# Altium PCB PCB.PcbDoc (part 11 of 11)
Units mm, origin at the board's own origin, x right, y up, seen from the top; angles counter-clockwise.
Board outline 134.62 x 134.62 mm, 2 copper layers (Top Layer, Bottom Layer); 223 components, 326 nets, 5222 pads, 379 vias.
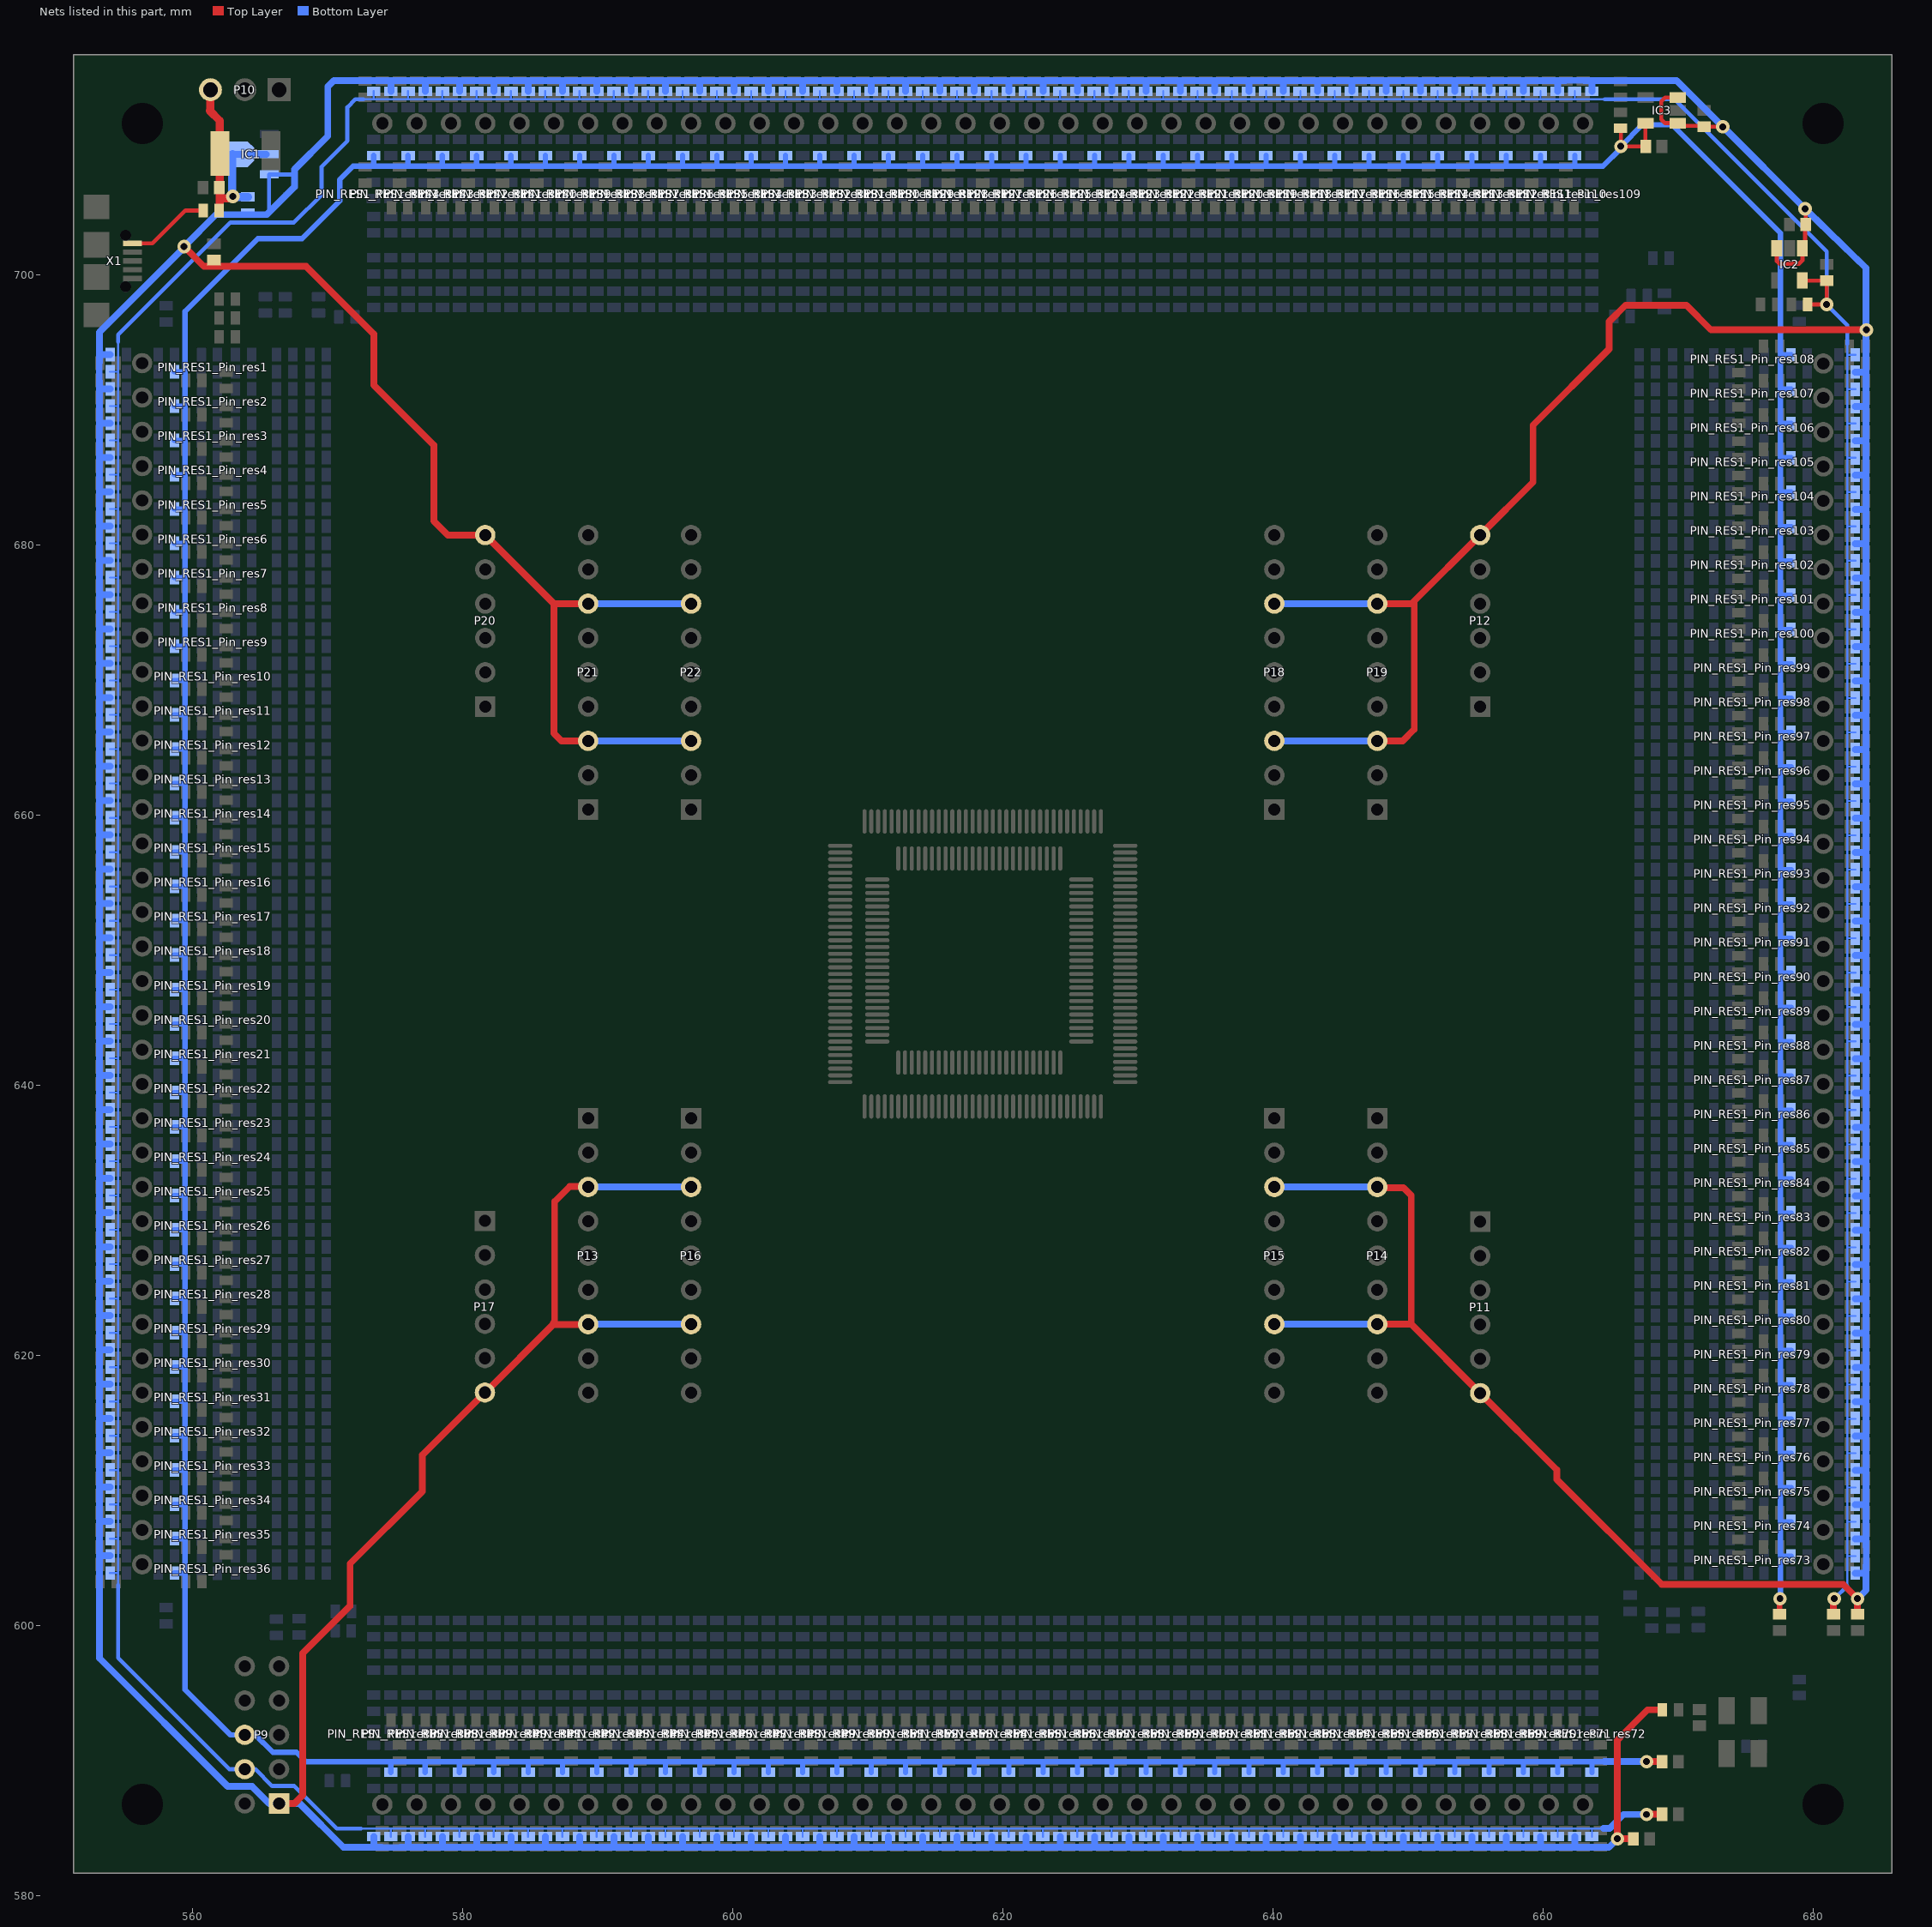
[diagram p11: the nets of this part, all layers, seen from the top]

## Via types
v1: diameter 1, hole 0.5, Top Layer to Bottom Layer, 322 vias
v2: diameter 1, hole 0.5, Top Layer to Bottom Layer, tented both sides, 57 vias

## Nets (pads, with @x,y where several pads share a name; then routed paths per layer and width w, separated by ;. In a path a pad name is that pad's centre, name@x,y a point inside that pad or via, vN(x,y) a via of type N, cw(c..) or ccw(c..) an arc to the next point about the centre after c; other vN are vias at no path point) (continued)
VCC1: C1.1 C2.1 C5.1 C7.1 C8.1 IC1.3 IC2.1 IC2.3 IC3.1 IC3.3 P9.1 P11.6 P12.6 P13.3 P13.7 P14.3 P14.7 P15.3 P15.7 P16.3 P16.7 P17.6 P18.3 P18.7 P19.3 P19.7 P20.6 P21.3 P21.7 P22.3 P22.7 PIN_RES1_Pin_res1.2 PIN_RES1_Pin_res2.2 PIN_RES1_Pin_res3.2 PIN_RES1_Pin_res4.2 PIN_RES1_Pin_res5.2 PIN_RES1_Pin_res6.2 PIN_RES1_Pin_res7.2 PIN_RES1_Pin_res8.2 PIN_RES1_Pin_res9.2 PIN_RES1_Pin_res10.2 PIN_RES1_Pin_res11.2 PIN_RES1_Pin_res12.2 PIN_RES1_Pin_res13.2 PIN_RES1_Pin_res14.2 PIN_RES1_Pin_res15.2 PIN_RES1_Pin_res16.2 PIN_RES1_Pin_res17.2 PIN_RES1_Pin_res18.2 PIN_RES1_Pin_res19.2 PIN_RES1_Pin_res20.2 PIN_RES1_Pin_res21.2 PIN_RES1_Pin_res22.2 PIN_RES1_Pin_res23.2 PIN_RES1_Pin_res24.2 PIN_RES1_Pin_res25.2 PIN_RES1_Pin_res26.2 PIN_RES1_Pin_res27.2 PIN_RES1_Pin_res28.2 PIN_RES1_Pin_res29.2 PIN_RES1_Pin_res30.2 PIN_RES1_Pin_res31.2 PIN_RES1_Pin_res32.2 PIN_RES1_Pin_res33.2 PIN_RES1_Pin_res34.2 PIN_RES1_Pin_res35.2 PIN_RES1_Pin_res36.2 PIN_RES1_Pin_res37.2 PIN_RES1_Pin_res38.2 PIN_RES1_Pin_res39.2 PIN_RES1_Pin_res40.2 PIN_RES1_Pin_res41.2 PIN_RES1_Pin_res42.2 PIN_RES1_Pin_res43.2 PIN_RES1_Pin_res44.2 PIN_RES1_Pin_res45.2 PIN_RES1_Pin_res46.2 PIN_RES1_Pin_res47.2 PIN_RES1_Pin_res48.2 PIN_RES1_Pin_res49.2 PIN_RES1_Pin_res50.2 PIN_RES1_Pin_res51.2 PIN_RES1_Pin_res52.2 PIN_RES1_Pin_res53.2 PIN_RES1_Pin_res54.2 PIN_RES1_Pin_res55.2 PIN_RES1_Pin_res56.2 PIN_RES1_Pin_res57.2 PIN_RES1_Pin_res58.2 PIN_RES1_Pin_res59.2 PIN_RES1_Pin_res60.2 PIN_RES1_Pin_res61.2 PIN_RES1_Pin_res62.2 PIN_RES1_Pin_res63.2 PIN_RES1_Pin_res64.2 PIN_RES1_Pin_res65.2 PIN_RES1_Pin_res66.2 PIN_RES1_Pin_res67.2 PIN_RES1_Pin_res68.2 PIN_RES1_Pin_res69.2 PIN_RES1_Pin_res70.2 PIN_RES1_Pin_res71.2 PIN_RES1_Pin_res72.2 PIN_RES1_Pin_res73.2 PIN_RES1_Pin_res74.2 PIN_RES1_Pin_res75.2 PIN_RES1_Pin_res76.2 PIN_RES1_Pin_res77.2 PIN_RES1_Pin_res78.2 PIN_RES1_Pin_res79.2 PIN_RES1_Pin_res80.2 PIN_RES1_Pin_res81.2 PIN_RES1_Pin_res82.2 PIN_RES1_Pin_res83.2 PIN_RES1_Pin_res84.2 PIN_RES1_Pin_res85.2 PIN_RES1_Pin_res86.2 PIN_RES1_Pin_res87.2 PIN_RES1_Pin_res88.2 PIN_RES1_Pin_res89.2 PIN_RES1_Pin_res90.2 PIN_RES1_Pin_res91.2 PIN_RES1_Pin_res92.2 PIN_RES1_Pin_res93.2 PIN_RES1_Pin_res94.2 PIN_RES1_Pin_res95.2 PIN_RES1_Pin_res96.2 PIN_RES1_Pin_res97.2 PIN_RES1_Pin_res98.2 PIN_RES1_Pin_res99.2 PIN_RES1_Pin_res100.2 PIN_RES1_Pin_res101.2 PIN_RES1_Pin_res102.2 PIN_RES1_Pin_res103.2 PIN_RES1_Pin_res104.2 PIN_RES1_Pin_res105.2 PIN_RES1_Pin_res106.2 PIN_RES1_Pin_res107.2 PIN_RES1_Pin_res108.2 PIN_RES1_Pin_res109.2 PIN_RES1_Pin_res110.2 PIN_RES1_Pin_res111.2 PIN_RES1_Pin_res112.2 PIN_RES1_Pin_res113.2 PIN_RES1_Pin_res114.2 PIN_RES1_Pin_res115.2 PIN_RES1_Pin_res116.2 PIN_RES1_Pin_res117.2 PIN_RES1_Pin_res118.2 PIN_RES1_Pin_res119.2 PIN_RES1_Pin_res120.2 PIN_RES1_Pin_res121.2 PIN_RES1_Pin_res122.2 PIN_RES1_Pin_res123.2 PIN_RES1_Pin_res124.2 PIN_RES1_Pin_res125.2 PIN_RES1_Pin_res126.2 PIN_RES1_Pin_res127.2 PIN_RES1_Pin_res128.2 PIN_RES1_Pin_res129.2 PIN_RES1_Pin_res130.2 PIN_RES1_Pin_res131.2 PIN_RES1_Pin_res132.2 PIN_RES1_Pin_res133.2 PIN_RES1_Pin_res134.2 PIN_RES1_Pin_res135.2 PIN_RES1_Pin_res136.2 PIN_RES1_Pin_res137.2 PIN_RES1_Pin_res138.2 PIN_RES1_Pin_res139.2 PIN_RES1_Pin_res140.2 PIN_RES1_Pin_res141.2 PIN_RES1_Pin_res142.2 PIN_RES1_Pin_res143.2 PIN_RES1_Pin_res144.2 R5.2 R22.1 | length 907.3
  Top Layer w0.3: IC3.1@669.931,711.215 669.021,711.215 668.731,711.505 668.731,712.826 669.021,713.115 IC3.3@669.931,713.115 ; IC3.1@669.957,711.215 670.15,711.022 671.56,711.022 C1.1@671.627,710.956 ; C1.1@671.906,710.956 v1@672.862,710.956 ; IC2.3@677.281,701.961 677.281,700.999 677.469,700.811 678.942,700.811 679.181,701.05 IC2.1@679.181,701.961 679.374,702.154 679.374,703.666 C8.1@679.415,703.707 679.415,704.836 v1(679.375,704.876)
  Top Layer w0.5: v1(559.359,702.081) 560.832,700.608 568.401,700.608 573.405,695.604 573.405,691.82 577.85,687.375 577.85,681.761 578.891,680.72 P20.6@581.66,680.72 586.74,675.64 ; P9.1@566.395,586.816 567.538,586.816 568.147,587.426 568.147,597.941 571.652,601.447 571.652,604.571 577.012,609.93 577.012,612.623 P17.6@581.635,617.245 ; P17.6@581.685,617.195 P17.6@581.635,617.245 ; 586.791,622.275 P13.7@589.255,622.275 ; P13.3@589.28,632.485 587.904,632.485 586.791,631.372 586.791,622.478 586.715,622.402 586.715,622.3 581.66,617.245 P17.6@581.635,617.245 ; P21.3@589.28,665.48 587.299,665.48 586.74,666.039 586.74,675.64 ; P21.7@589.28,675.64 586.74,675.64 ; P14.7@647.7,622.3 650.215,622.3 ; P14.3@647.7,632.46 647.751,632.409 649.63,632.409 650.215,631.825 650.215,622.3 ; P19.3@647.7,665.48 649.58,665.48 650.443,666.344 650.443,675.843 ; P19.7@647.7,675.64 650.24,675.64 650.443,675.843 ; C7.1@666.658,584.2 v1(665.48,584.2) 665.48,591.515 667.715,593.75 R22.1@668.817,593.75 ; C5.1@683.26,600.827 v1(683.26,601.98) 682.193,603.047 668.757,603.047 660.984,610.819 660.984,611.53 P11.6@655.32,617.195 650.215,622.3 ; v1(683.92,695.909) 672.414,695.909 670.585,697.738 666.09,697.738 664.87,696.519 664.87,694.487 659.232,688.848 659.232,684.632 P12.6@655.32,680.72 650.443,675.843
  Bottom Layer w0.3: 565.655,704.613 IC1.3@565.655,707.414 567.485,707.414
  Bottom Layer w0.5: PIN_RES1_Pin_res36.2@553.882,605.155 553.085,605.155 ; PIN_RES1_Pin_res35.2@553.882,607.695 553.085,607.695 ; PIN_RES1_Pin_res34.2@553.882,610.235 553.085,610.235 ; PIN_RES1_Pin_res33.2@553.882,612.775 553.085,612.775 ; PIN_RES1_Pin_res32.2@553.882,615.315 553.085,615.315 ; PIN_RES1_Pin_res31.2@553.882,617.855 553.085,617.855 ; PIN_RES1_Pin_res30.2@553.882,620.395 553.085,620.395 ; PIN_RES1_Pin_res29.2@553.882,622.935 553.085,622.935 ; PIN_RES1_Pin_res28.2@553.882,625.475 553.085,625.475 ; PIN_RES1_Pin_res27.2@553.882,628.015 553.085,628.015 ; PIN_RES1_Pin_res26.2@553.882,630.555 553.085,630.555 ; PIN_RES1_Pin_res25.2@553.882,633.095 553.085,633.095 ; PIN_RES1_Pin_res24.2@553.882,635.635 553.085,635.635 ; PIN_RES1_Pin_res23.2@553.882,638.175 553.085,638.175 ; PIN_RES1_Pin_res22.2@553.882,640.715 553.085,640.715 ; PIN_RES1_Pin_res21.2@553.882,643.255 553.085,643.255 ; PIN_RES1_Pin_res20.2@553.882,645.795 553.085,645.795 ; PIN_RES1_Pin_res19.2@553.882,648.335 553.085,648.335 ; PIN_RES1_Pin_res18.2@553.882,650.9 553.085,650.9 ; PIN_RES1_Pin_res17.2@553.882,653.44 553.085,653.44 ; PIN_RES1_Pin_res16.2@553.882,655.98 553.085,655.98 ; PIN_RES1_Pin_res15.2@553.882,658.52 553.085,658.52 ; PIN_RES1_Pin_res14.2@553.882,661.06 553.085,661.06 ; PIN_RES1_Pin_res13.2@553.882,663.6 553.085,663.6 ; PIN_RES1_Pin_res12.2@553.882,666.14 553.085,666.14 ; PIN_RES1_Pin_res11.2@553.882,668.68 553.085,668.68 ; PIN_RES1_Pin_res10.2@553.882,671.22 553.085,671.22 ; PIN_RES1_Pin_res9.2@553.882,673.76 553.085,673.76 ; PIN_RES1_Pin_res8.2@553.882,676.3 553.085,676.3 ; PIN_RES1_Pin_res7.2@553.882,678.84 553.085,678.84 ; PIN_RES1_Pin_res6.2@553.882,681.38 553.085,681.38 ; PIN_RES1_Pin_res5.2@553.882,683.92 553.085,683.92 ; PIN_RES1_Pin_res4.2@553.882,686.46 553.085,686.46 ; PIN_RES1_Pin_res3.2@553.882,689 553.085,689 ; PIN_RES1_Pin_res2.2@553.882,691.54 553.085,691.54 ; PIN_RES1_Pin_res1.2@553.882,694.08 553.085,694.08 ; v1(559.359,702.081) 561.721,704.444 565.48,704.444 566.912,705.876 567.538,706.501 567.538,707.466 567.538,707.796 570.001,710.26 570.001,713.918 570.459,714.375 574.675,714.375 ; v1@559.384,702.031 553.085,695.731 553.085,694.08 ; PIN_RES1_Pin_res37.2@573.405,584.362 573.405,583.565 ; PIN_RES1_Pin_res144.2@574.675,713.578 574.675,714.375 ; PIN_RES1_Pin_res38.2@575.945,584.362 575.945,583.565 ; PIN_RES1_Pin_res143.2@577.215,713.578 577.215,714.375 ; PIN_RES1_Pin_res39.2@578.485,584.362 578.485,583.565 ; PIN_RES1_Pin_res142.2@579.755,713.578 579.755,714.375 ; PIN_RES1_Pin_res40.2@581.025,584.362 581.025,583.565 ; PIN_RES1_Pin_res141.2@582.295,713.578 582.295,714.375 ; PIN_RES1_Pin_res41.2@583.565,584.362 583.565,583.565 ; PIN_RES1_Pin_res140.2@584.835,713.578 584.835,714.375 ; PIN_RES1_Pin_res42.2@586.105,584.362 586.105,583.565 ; PIN_RES1_Pin_res139.2@587.375,713.578 587.375,714.375 ; PIN_RES1_Pin_res43.2@588.645,584.362 588.645,583.565 ; P13.7@589.28,622.3 P16.7@596.9,622.3 ; P13.3@589.28,632.46 P16.3@596.9,632.46 ; P21.3@589.28,665.48 P22.3@596.9,665.48 ; P21.7@589.28,675.64 P22.7@596.9,675.64 ; PIN_RES1_Pin_res138.2@589.915,713.578 589.915,714.375 ; PIN_RES1_Pin_res44.2@591.185,584.362 591.185,583.565 ; PIN_RES1_Pin_res137.2@592.455,713.578 592.455,714.375 ; PIN_RES1_Pin_res45.2@593.725,584.362 593.725,583.565 ; PIN_RES1_Pin_res136.2@594.995,713.578 594.995,714.375 ; PIN_RES1_Pin_res46.2@596.265,584.362 596.265,583.565 ; PIN_RES1_Pin_res135.2@597.535,713.578 597.535,714.375 ; PIN_RES1_Pin_res47.2@598.805,584.362 598.805,583.565 ; PIN_RES1_Pin_res134.2@600.075,713.578 600.075,714.375 ; PIN_RES1_Pin_res48.2@601.345,584.362 601.345,583.565 ; PIN_RES1_Pin_res133.2@602.615,713.578 602.615,714.375 ; PIN_RES1_Pin_res49.2@603.885,584.362 603.885,583.565 ; PIN_RES1_Pin_res132.2@605.155,713.578 605.155,714.375 ; PIN_RES1_Pin_res50.2@606.425,584.362 606.425,583.565 ; PIN_RES1_Pin_res131.2@607.695,713.578 607.695,714.375 ; PIN_RES1_Pin_res51.2@608.965,584.362 608.965,583.565 ; PIN_RES1_Pin_res130.2@610.235,713.578 610.235,714.375 ; PIN_RES1_Pin_res52.2@611.505,584.362 611.505,583.565 ; PIN_RES1_Pin_res129.2@612.775,713.578 612.775,714.375 ; PIN_RES1_Pin_res53.2@614.045,584.362 614.045,583.565 ; PIN_RES1_Pin_res128.2@615.315,713.578 615.315,714.375 ; PIN_RES1_Pin_res54.2@616.585,584.362 616.585,583.565 ; PIN_RES1_Pin_res127.2@617.855,713.578 617.855,714.375 ; PIN_RES1_Pin_res55.2@619.15,584.362 619.15,583.565 ; PIN_RES1_Pin_res126.2@620.42,713.578 620.42,714.375 ; PIN_RES1_Pin_res56.2@621.69,584.362 621.69,583.565 ; PIN_RES1_Pin_res125.2@622.96,713.578 622.96,714.375 ; PIN_RES1_Pin_res57.2@624.23,584.362 624.23,583.565 ; PIN_RES1_Pin_res124.2@625.5,713.578 625.5,714.375 ; PIN_RES1_Pin_res58.2@626.77,584.362 626.77,583.565 ; PIN_RES1_Pin_res123.2@628.04,713.578 628.04,714.375 ; PIN_RES1_Pin_res59.2@629.31,584.362 629.31,583.565 ; PIN_RES1_Pin_res122.2@630.58,713.578 630.58,714.375 ; PIN_RES1_Pin_res60.2@631.85,584.362 631.85,583.565 ; PIN_RES1_Pin_res121.2@633.12,713.578 633.12,714.375 ; PIN_RES1_Pin_res61.2@634.39,584.362 634.39,583.565 ; PIN_RES1_Pin_res120.2@635.66,713.578 635.66,714.375 ; PIN_RES1_Pin_res62.2@636.93,584.362 636.93,583.565 ; PIN_RES1_Pin_res119.2@638.2,713.578 638.2,714.375 ; PIN_RES1_Pin_res63.2@639.47,584.362 639.47,583.565 ; P15.7@640.08,622.3 P14.7@647.7,622.3 ; P15.3@640.08,632.46 P14.3@647.7,632.46 ; P18.3@640.08,665.48 P19.3@647.7,665.48 ; P18.7@640.08,675.64 P19.7@647.7,675.64 ; PIN_RES1_Pin_res118.2@640.74,713.578 640.74,714.375 ; PIN_RES1_Pin_res64.2@642.01,584.362 642.01,583.565 ; PIN_RES1_Pin_res117.2@643.28,713.578 643.28,714.375 ; PIN_RES1_Pin_res65.2@644.55,584.362 644.55,583.565 ; PIN_RES1_Pin_res116.2@645.82,713.578 645.82,714.375 ; PIN_RES1_Pin_res66.2@647.09,584.362 647.09,583.565 ; PIN_RES1_Pin_res115.2@648.36,713.578 648.36,714.375 ; PIN_RES1_Pin_res67.2@649.63,584.362 649.63,583.565 ; PIN_RES1_Pin_res114.2@650.9,713.578 650.9,714.375 ; PIN_RES1_Pin_res68.2@652.17,584.362 652.17,583.565 ; PIN_RES1_Pin_res113.2@653.44,713.578 653.44,714.375 ; PIN_RES1_Pin_res69.2@654.71,584.362 654.71,583.565 ; PIN_RES1_Pin_res112.2@655.98,713.578 655.98,714.375 ; PIN_RES1_Pin_res70.2@657.25,584.362 657.25,583.565 ; PIN_RES1_Pin_res111.2@658.52,713.578 658.52,714.375 ; PIN_RES1_Pin_res71.2@659.79,584.362 659.79,583.565 ; PIN_RES1_Pin_res110.2@661.06,713.578 661.06,714.375 ; 661.638,714.375 661.06,714.375 ; 661.641,714.378 663.017,714.378 ; PIN_RES1_Pin_res72.2@662.33,584.362 662.33,583.565 ; 663.02,714.375 663.6,714.375 ; PIN_RES1_Pin_res109.2@663.6,713.578 663.6,714.375 ; v1(665.48,584.2) 664.845,583.565 662.33,583.565 ; v1(673.278,710.946) 669.849,714.375 663.6,714.375 ; v1@673.379,710.87 v1@679.323,704.926 ; v1(679.375,704.876) 683.895,700.481 683.895,692.785 ; PIN_RES1_Pin_res73.2@683.098,603.86 683.895,603.86 ; PIN_RES1_Pin_res74.2@683.098,606.4 683.895,606.4 ; PIN_RES1_Pin_res75.2@683.098,608.94 683.895,608.94 ; PIN_RES1_Pin_res76.2@683.098,611.48 683.895,611.48 ; PIN_RES1_Pin_res77.2@683.098,614.02 683.895,614.02 ; PIN_RES1_Pin_res78.2@683.098,616.56 683.895,616.56 ; PIN_RES1_Pin_res79.2@683.098,619.1 683.895,619.1 ; PIN_RES1_Pin_res80.2@683.098,621.64 683.895,621.64 ; PIN_RES1_Pin_res81.2@683.098,624.18 683.895,624.18 ; PIN_RES1_Pin_res82.2@683.098,626.72 683.895,626.72 ; PIN_RES1_Pin_res83.2@683.098,629.26 683.895,629.26 ; PIN_RES1_Pin_res84.2@683.098,631.8 683.895,631.8 ; PIN_RES1_Pin_res85.2@683.098,634.34 683.895,634.34 ; PIN_RES1_Pin_res86.2@683.098,636.88 683.895,636.88 ; PIN_RES1_Pin_res87.2@683.098,639.42 683.895,639.42 ; PIN_RES1_Pin_res88.2@683.098,641.96 683.895,641.96 ; PIN_RES1_Pin_res89.2@683.098,644.5 683.895,644.5 ; PIN_RES1_Pin_res90.2@683.098,647.04 683.895,647.04 ; PIN_RES1_Pin_res91.2@683.098,649.605 683.895,649.605 ; PIN_RES1_Pin_res92.2@683.098,652.145 683.895,652.145 ; PIN_RES1_Pin_res93.2@683.098,654.685 683.895,654.685 ; PIN_RES1_Pin_res94.2@683.098,657.225 683.895,657.225 ; PIN_RES1_Pin_res95.2@683.098,659.765 683.895,659.765 ; PIN_RES1_Pin_res96.2@683.098,662.305 683.895,662.305 ; PIN_RES1_Pin_res97.2@683.098,664.845 683.895,664.845 ; PIN_RES1_Pin_res98.2@683.098,667.385 683.895,667.385 ; PIN_RES1_Pin_res99.2@683.098,669.925 683.895,669.925 ; PIN_RES1_Pin_res100.2@683.098,672.465 683.895,672.465 ; PIN_RES1_Pin_res101.2@683.098,675.005 683.895,675.005 ; PIN_RES1_Pin_res102.2@683.098,677.545 683.895,677.545 ; PIN_RES1_Pin_res103.2@683.098,680.085 683.895,680.085 ; PIN_RES1_Pin_res104.2@683.098,682.625 683.895,682.625 ; PIN_RES1_Pin_res105.2@683.098,685.165 683.895,685.165 ; PIN_RES1_Pin_res106.2@683.098,687.705 683.895,687.705 ; PIN_RES1_Pin_res107.2@683.098,690.245 683.895,690.245 ; PIN_RES1_Pin_res108.2@683.098,692.785 683.895,692.785 ; v1(683.26,601.98) 683.895,602.615 683.895,603.86 ; 683.895,604.44 683.895,603.86 ; 683.895,605.822 683.895,606.4 ; 683.898,604.443 683.898,605.819 ; 553.085,605.155 553.085,597.586 562.585,588.086 564.388,588.086 565.658,586.816 P9.1@566.395,586.816 567.919,586.816 571.17,583.565 573.405,583.565 ; 553.085,605.155 553.085,607.695 ; 553.085,607.695 553.085,610.235 ; 553.085,610.235 553.085,612.775 ; 553.085,612.775 553.085,615.315 ; 553.085,615.315 553.085,617.855 ; 553.085,617.855 553.085,620.395 ; 553.085,620.395 553.085,622.935 ; 553.085,622.935 553.085,625.475 ; 553.085,625.475 553.085,628.015 ; 553.085,628.015 553.085,630.555 ; 553.085,630.555 553.085,633.095 ; 553.085,633.095 553.085,635.635 ; 553.085,635.635 553.085,638.175 ; 553.085,638.175 553.085,640.715 ; 553.085,640.715 553.085,643.255 ; 553.085,643.255 553.085,645.795 ; 553.085,645.795 553.085,648.335 ; 553.085,648.335 553.085,650.9 ; 553.085,650.9 553.085,653.44 ; 553.085,653.44 553.085,655.98 ; 553.085,655.98 553.085,658.52 ; 553.085,658.52 553.085,661.06 ; 553.085,661.06 553.085,663.6 ; 553.085,663.6 553.085,666.14 ; 553.085,666.14 553.085,668.68 ; 553.085,668.68 553.085,671.22 ; 553.085,671.22 553.085,673.76 ; 553.085,673.76 553.085,676.3 ; 553.085,676.3 553.085,678.84 ; 553.085,678.84 553.085,681.38 ; 553.085,681.38 553.085,683.92 ; 553.085,683.92 553.085,686.46 ; 553.085,686.46 553.085,689 ; 553.085,689 553.085,691.54 ; 553.085,691.54 553.085,692.118 553.082,692.121 553.082,693.497 553.085,693.5 553.085,694.08 ; 573.405,583.565 573.986,583.565 573.989,583.562 575.364,583.562 575.367,583.565 575.945,583.565 ; 574.675,714.375 577.215,714.375 ; 575.945,583.565 578.485,583.565 ; 577.215,714.375 579.755,714.375 ; 578.485,583.565 581.025,583.565 ; 579.755,714.375 582.295,714.375 ; 581.025,583.565 583.565,583.565 ; 582.295,714.375 584.835,714.375 ; 583.565,583.565 586.105,583.565 ; 584.835,714.375 587.375,714.375 ; 586.105,583.565 588.645,583.565 ; 587.375,714.375 589.915,714.375 ; 588.645,583.565 591.185,583.565 ; 589.915,714.375 592.455,714.375 ; 591.185,583.565 593.725,583.565 ; 592.455,714.375 594.995,714.375 ; 593.725,583.565 596.265,583.565 ; 594.995,714.375 597.535,714.375 ; 596.265,583.565 598.805,583.565 ; 597.535,714.375 600.075,714.375 ; 598.805,583.565 601.345,583.565 ; 600.075,714.375 602.615,714.375 ; 601.345,583.565 603.885,583.565 ; 602.615,714.375 605.155,714.375 ; 603.885,583.565 606.425,583.565 ; 605.155,714.375 607.695,714.375 ; 606.425,583.565 608.965,583.565 ; 607.695,714.375 610.235,714.375 ; 608.965,583.565 611.505,583.565 ; 610.235,714.375 612.775,714.375 ; 611.505,583.565 614.045,583.565 ; 612.775,714.375 615.315,714.375 ; 614.045,583.565 616.585,583.565 ; 615.315,714.375 617.855,714.375 ; 616.585,583.565 619.15,583.565 ; 617.855,714.375 620.42,714.375 ; 619.15,583.565 621.69,583.565 ; 620.42,714.375 622.96,714.375 ; 621.69,583.565 624.23,583.565 ; 622.96,714.375 625.5,714.375 ; 624.23,583.565 626.77,583.565 ; 625.5,714.375 628.04,714.375 ; 626.77,583.565 629.31,583.565 ; 628.04,714.375 630.58,714.375 ; 629.31,583.565 631.85,583.565 ; 630.58,714.375 633.12,714.375 ; 631.85,583.565 634.39,583.565 ; 633.12,714.375 635.66,714.375 ; 634.39,583.565 636.93,583.565 ; 635.66,714.375 638.2,714.375 ; 636.93,583.565 639.47,583.565 ; 638.2,714.375 640.74,714.375 ; 639.47,583.565 642.01,583.565 ; 640.74,714.375 643.28,714.375 ; 642.01,583.565 644.55,583.565 ; 643.28,714.375 645.82,714.375 ; 644.55,583.565 647.09,583.565 ; 645.82,714.375 648.36,714.375 ; 647.09,583.565 649.63,583.565 ; 648.36,714.375 650.9,714.375 ; 649.63,583.565 652.17,583.565 ; 650.9,714.375 653.44,714.375 ; 652.17,583.565 654.71,583.565 ; 653.44,714.375 655.98,714.375 ; 654.71,583.565 657.25,583.565 ; 655.98,714.375 658.52,714.375 ; 657.25,583.565 659.79,583.565 ; 658.52,714.375 661.06,714.375 ; 659.79,583.565 662.33,583.565 ; 683.895,606.4 683.895,608.94 ; 683.895,608.94 683.895,611.48 ; 683.895,611.48 683.895,614.02 ; 683.895,614.02 683.895,616.56 ; 683.895,616.56 683.895,619.1 ; 683.895,619.1 683.895,621.64 ; 683.895,621.64 683.895,624.18 ; 683.895,624.18 683.895,626.72 ; 683.895,626.72 683.895,629.26 ; 683.895,629.26 683.895,631.8 ; 683.895,631.8 683.895,634.34 ; 683.895,634.34 683.895,636.88 ; 683.895,636.88 683.895,639.42 ; 683.895,639.42 683.895,641.96 ; 683.895,641.96 683.895,644.5 ; 683.895,644.5 683.895,647.04 ; 683.895,647.04 683.895,649.605 ; 683.895,649.605 683.895,652.145 ; 683.895,652.145 683.895,654.685 ; 683.895,654.685 683.895,657.225 ; 683.895,657.225 683.895,659.765 ; 683.895,659.765 683.895,662.305 ; 683.895,662.305 683.895,664.845 ; 683.895,664.845 683.895,667.385 ; 683.895,667.385 683.895,669.925 ; 683.895,669.925 683.895,672.465 ; 683.895,672.465 683.895,675.005 ; 683.895,675.005 683.895,677.545 ; 683.895,677.545 683.895,680.085 ; 683.895,680.085 683.895,682.625 ; 683.895,682.625 683.895,685.165 ; 683.895,685.165 683.895,687.705 ; 683.895,687.705 683.895,690.245 ; 683.895,690.245 683.895,692.785
VCC2: C3.1 C9.1 C11.1 IC2.5 P9.4 PIN_RES1_Pin_res1.3 PIN_RES1_Pin_res2.3 PIN_RES1_Pin_res3.3 PIN_RES1_Pin_res4.3 PIN_RES1_Pin_res5.3 PIN_RES1_Pin_res6.3 PIN_RES1_Pin_res7.3 PIN_RES1_Pin_res8.3 PIN_RES1_Pin_res9.3 PIN_RES1_Pin_res10.3 PIN_RES1_Pin_res11.3 PIN_RES1_Pin_res12.3 PIN_RES1_Pin_res13.3 PIN_RES1_Pin_res14.3 PIN_RES1_Pin_res15.3 PIN_RES1_Pin_res16.3 PIN_RES1_Pin_res17.3 PIN_RES1_Pin_res18.3 PIN_RES1_Pin_res19.3 PIN_RES1_Pin_res20.3 PIN_RES1_Pin_res21.3 PIN_RES1_Pin_res22.3 PIN_RES1_Pin_res23.3 PIN_RES1_Pin_res24.3 PIN_RES1_Pin_res25.3 PIN_RES1_Pin_res26.3 PIN_RES1_Pin_res27.3 PIN_RES1_Pin_res28.3 PIN_RES1_Pin_res29.3 PIN_RES1_Pin_res30.3 PIN_RES1_Pin_res31.3 PIN_RES1_Pin_res32.3 PIN_RES1_Pin_res33.3 PIN_RES1_Pin_res34.3 PIN_RES1_Pin_res35.3 PIN_RES1_Pin_res36.3 PIN_RES1_Pin_res37.3 PIN_RES1_Pin_res38.3 PIN_RES1_Pin_res39.3 PIN_RES1_Pin_res40.3 PIN_RES1_Pin_res41.3 PIN_RES1_Pin_res42.3 PIN_RES1_Pin_res43.3 PIN_RES1_Pin_res44.3 PIN_RES1_Pin_res45.3 PIN_RES1_Pin_res46.3 PIN_RES1_Pin_res47.3 PIN_RES1_Pin_res48.3 PIN_RES1_Pin_res49.3 PIN_RES1_Pin_res50.3 PIN_RES1_Pin_res51.3 PIN_RES1_Pin_res52.3 PIN_RES1_Pin_res53.3 PIN_RES1_Pin_res54.3 PIN_RES1_Pin_res55.3 PIN_RES1_Pin_res56.3 PIN_RES1_Pin_res57.3 PIN_RES1_Pin_res58.3 PIN_RES1_Pin_res59.3 PIN_RES1_Pin_res60.3 PIN_RES1_Pin_res61.3 PIN_RES1_Pin_res62.3 PIN_RES1_Pin_res63.3 PIN_RES1_Pin_res64.3 PIN_RES1_Pin_res65.3 PIN_RES1_Pin_res66.3 PIN_RES1_Pin_res67.3 PIN_RES1_Pin_res68.3 PIN_RES1_Pin_res69.3 PIN_RES1_Pin_res70.3 PIN_RES1_Pin_res71.3 PIN_RES1_Pin_res72.3 PIN_RES1_Pin_res73.3 PIN_RES1_Pin_res74.3 PIN_RES1_Pin_res75.3 PIN_RES1_Pin_res76.3 PIN_RES1_Pin_res77.3 PIN_RES1_Pin_res78.3 PIN_RES1_Pin_res79.3 PIN_RES1_Pin_res80.3 PIN_RES1_Pin_res81.3 PIN_RES1_Pin_res82.3 PIN_RES1_Pin_res83.3 PIN_RES1_Pin_res84.3 PIN_RES1_Pin_res85.3 PIN_RES1_Pin_res86.3 PIN_RES1_Pin_res87.3 PIN_RES1_Pin_res88.3 PIN_RES1_Pin_res89.3 PIN_RES1_Pin_res90.3 PIN_RES1_Pin_res91.3 PIN_RES1_Pin_res92.3 PIN_RES1_Pin_res93.3 PIN_RES1_Pin_res94.3 PIN_RES1_Pin_res95.3 PIN_RES1_Pin_res96.3 PIN_RES1_Pin_res97.3 PIN_RES1_Pin_res98.3 PIN_RES1_Pin_res99.3 PIN_RES1_Pin_res100.3 PIN_RES1_Pin_res101.3 PIN_RES1_Pin_res102.3 PIN_RES1_Pin_res103.3 PIN_RES1_Pin_res104.3 PIN_RES1_Pin_res105.3 PIN_RES1_Pin_res106.3 PIN_RES1_Pin_res107.3 PIN_RES1_Pin_res108.3 PIN_RES1_Pin_res109.3 PIN_RES1_Pin_res110.3 PIN_RES1_Pin_res111.3 PIN_RES1_Pin_res112.3 PIN_RES1_Pin_res113.3 PIN_RES1_Pin_res114.3 PIN_RES1_Pin_res115.3 PIN_RES1_Pin_res116.3 PIN_RES1_Pin_res117.3 PIN_RES1_Pin_res118.3 PIN_RES1_Pin_res119.3 PIN_RES1_Pin_res120.3 PIN_RES1_Pin_res121.3 PIN_RES1_Pin_res122.3 PIN_RES1_Pin_res123.3 PIN_RES1_Pin_res124.3 PIN_RES1_Pin_res125.3 PIN_RES1_Pin_res126.3 PIN_RES1_Pin_res127.3 PIN_RES1_Pin_res128.3 PIN_RES1_Pin_res129.3 PIN_RES1_Pin_res130.3 PIN_RES1_Pin_res131.3 PIN_RES1_Pin_res132.3 PIN_RES1_Pin_res133.3 PIN_RES1_Pin_res134.3 PIN_RES1_Pin_res135.3 PIN_RES1_Pin_res136.3 PIN_RES1_Pin_res137.3 PIN_RES1_Pin_res138.3 PIN_RES1_Pin_res139.3 PIN_RES1_Pin_res140.3 PIN_RES1_Pin_res141.3 PIN_RES1_Pin_res142.3 PIN_RES1_Pin_res143.3 PIN_RES1_Pin_res144.3 R6.1 | length 552.9